# Altium PCB PCB_DACard.PcbDoc (part 1 of 2) (continued)
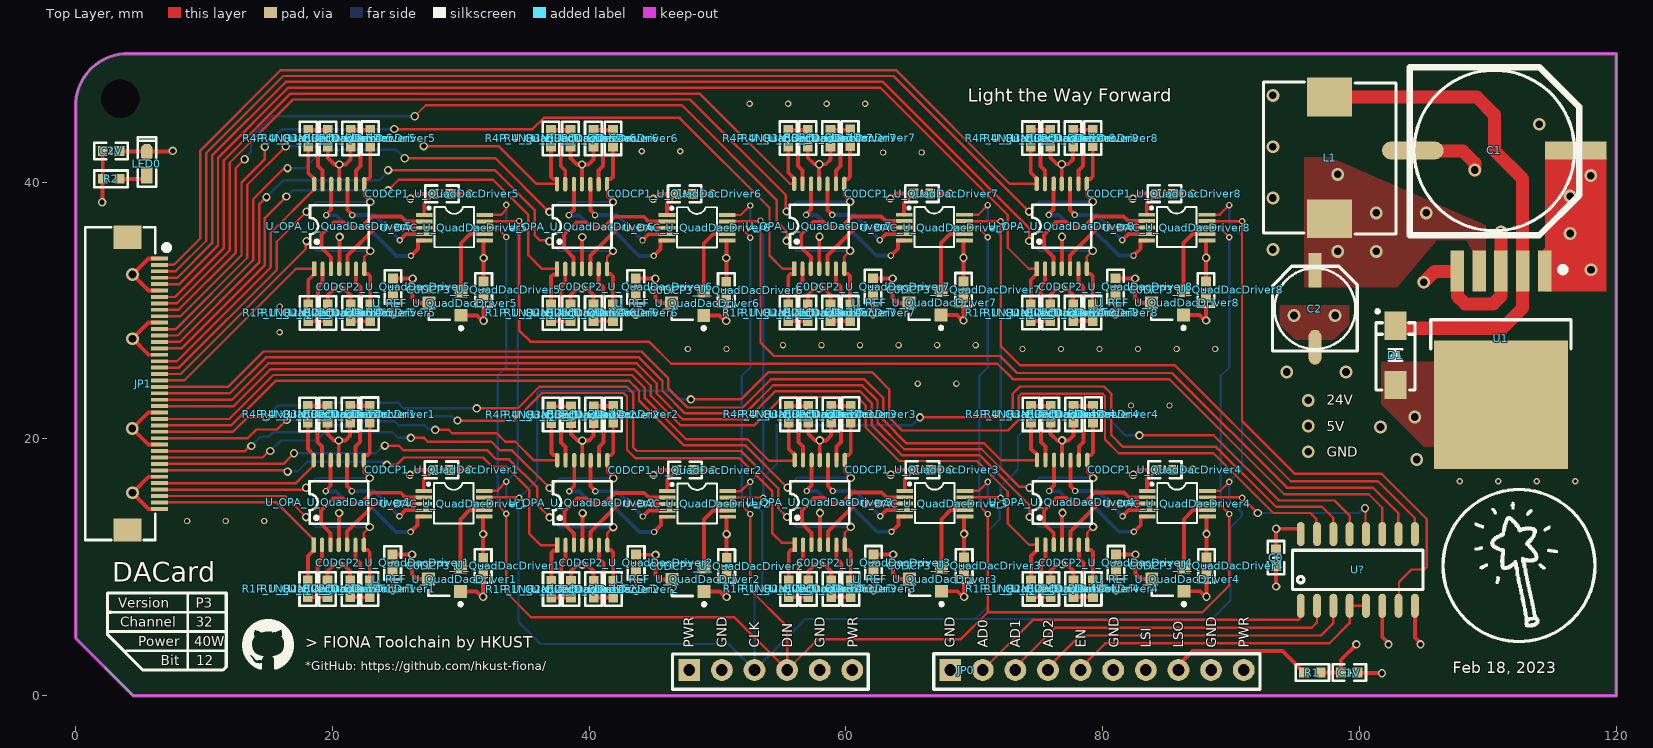
[diagram p0: Top Layer view]
## Components (designator, comment, footprint, x,y, rotation, side; value= is the part's Value field where it differs from the comment) (continued)
U_OPA_U_QuadDacDriver1 "OPA4197IPWR" TSSOP-14 20.508,15.045 r90 top (schematic designator U_OPA)
U_OPA_U_QuadDacDriver2 "OPA4197IPWR" TSSOP-14 39.471,15.033 r90 top (schematic designator U_OPA)
U_OPA_U_QuadDacDriver3 "OPA4197IPWR" TSSOP-14 57.963,15.053 r90 top (schematic designator U_OPA)
U_OPA_U_QuadDacDriver4 "OPA4197IPWR" TSSOP-14 76.838,15.053 r90 top (schematic designator U_OPA)
U_OPA_U_QuadDacDriver5 "OPA4197IPWR" TSSOP-14 20.545,36.541 r90 top (schematic designator U_OPA)
U_OPA_U_QuadDacDriver6 "OPA4197IPWR" TSSOP-14 39.445,36.537 r90 top (schematic designator U_OPA)
U_OPA_U_QuadDacDriver7 "OPA4197IPWR" TSSOP-14 57.92,36.558 r90 top (schematic designator U_OPA)
U_OPA_U_QuadDacDriver8 "OPA4197IPWR" TSSOP-14 76.808,36.557 r90 top (schematic designator U_OPA)
U_REF_U_QuadDacDriver1 "REF3025" SOT23-3 29.993,8.126 r90 top (schematic designator U_REF)
U_REF_U_QuadDacDriver2 "REF3025" SOT23-3 48.956,8.114 r90 top (schematic designator U_REF)
U_REF_U_QuadDacDriver3 "REF3025" SOT23-3 67.448,8.134 r90 top (schematic designator U_REF)
U_REF_U_QuadDacDriver4 "REF3025" SOT23-3 86.323,8.134 r90 top (schematic designator U_REF)
U_REF_U_QuadDacDriver5 "REF3025" SOT23-3 30.03,29.622 r90 top (schematic designator U_REF)
U_REF_U_QuadDacDriver6 "REF3025" SOT23-3 48.93,29.618 r90 top (schematic designator U_REF)
U_REF_U_QuadDacDriver7 "REF3025" SOT23-3 67.405,29.639 r90 top (schematic designator U_REF)
U_REF_U_QuadDacDriver8 "REF3025" SOT23-3 86.293,29.638 r90 top (schematic designator U_REF)

## Footprints (in the part's own frame and the unit in brackets; to place one, negate y for a bottom-side part, rotate by r counter-clockwise, add the part's x,y. Pads: shape width x height; smd on the part's side, far side on the other; paste and mask are expansions set on the pad)
"C 0603_L" [mil] "无极性贴片电容                                       淘宝ID:黄晶宝石"
  rect 30x30 smd: 1(-25.59,0) 2(25.59,0)
  silkscreen extent -51,-26 51,26, body extent -31,-16 31,16, height 32
"CM D(6.3*7.7)" [mm] "贴片电解电容，直径6.3mm，高7.7mm         淘宝ID:黄晶宝石"
  rect 2.7x1 smd: 1(3,0)
  oval 2.7x1 smd: 2(-3,0)
  silkscreen extent -3.3,-3.3 3.3,3.3, body extent -3.5,-3.3 3.5,3.3, height 7.7
"CM G(12.5*13.5)" [mm] "贴片电解电容，直径12.5mm，高13.5mm        淘宝ID:黄晶宝石"
  rect 4.8x1.4 smd: 1(6.35,0)
  oval 4.8x1.4 smd: 2(-6.35,0)
  silkscreen extent -6.6,-6.6 6.6,6.5, body extent -7.15,-6.5 7.15,6.5, height 13.5
"FPC0.5 2H-WS-40P" [mm] "长：24.2mm，宽：5.2mm，高：2mm 淘宝ID:黄晶宝石   店铺网址:https://shop463601444.taobao.com"
  rect 1.8x2.2 smd: 0(-11.4,0) 0(11.4,0)
  rect 0.3x1.3 smd: 1(-9.75,2.497) 2(-9.25,2.497) 3(-8.75,2.497) 4(-8.25,2.497) 5(-7.75,2.497) 6(-7.25,2.497) 7(-6.75,2.497) 8(-6.25,2.497) 9(-5.75,2.497) 10(-5.25,2.497) 11(-4.75,2.497) 12(-4.25,2.497) 13(-3.75,2.497) 14(-3.25,2.497) 15(-2.75,2.497) 16(-2.25,2.497) 17(-1.75,2.497) 18(-1.25,2.497) 19(-0.75,2.497) 20(-0.25,2.497) 21(0.25,2.497) 22(0.75,2.497) 23(1.25,2.497) 24(1.75,2.497) 25(2.25,2.497) 26(2.75,2.497) 27(3.25,2.497) 28(3.75,2.497) 29(4.25,2.497) 30(4.75,2.497) 31(5.25,2.497) 32(5.75,2.497) 33(6.25,2.497) 34(6.75,2.497) 35(7.25,2.497) 36(7.75,2.497) 37(8.25,2.497) 38(8.75,2.497) 39(9.25,2.497) 40(9.75,2.497)
  silkscreen extent -12.17,-3.3 12.17,3.23, body extent -12.1,-3.15 12.1,2.85, height 2
HDR2.54-DIY16-PW [mm] "10+6PIN"
  rect 1.7x1.7 hole 0.9: 1(-6.35,0) 7(13.97,0)
  round 1.7 hole 0.9: 2(-3.81,0) 3(-1.27,0) 4(1.27,0) 5(3.81,0) 6(6.35,0) 8(16.51,0) 9(19.05,0) 10(21.59,0) 11(24.13,0) 12(26.67,0) 13(29.21,0) 14(31.75,0) 15(34.29,0) 16(36.83,0)
  body extent -7.62,-7.77 38.1,1.27, height 4.85
"LED 0603B" [mil] "蓝色0603LED                             淘宝ID:黄晶宝石"
  rect 50x35 smd: 1(-35,0.26)
  oct 50x35 smd: 2(35,0.26)
  silkscreen extent -71,-28 81,28, body extent -31,-16 32,16, height 24
"R 0603_L" [mil] "1/10W贴片电阻                 淘宝ID:黄晶宝石"
  rect 30x30 smd: 1(-25.59,0) 2(25.59,0)
  silkscreen extent -51,-26 51,26, body extent -31,-16 32,16, height 16
SMA [mm] "4.5x2.6*2.2mm（长宽高，不包括引脚）"
  rect 2.2x1.75 smd: 1(-2.3,0) 2(2.3,0)
  silkscreen extent -2.7,-1.52 3.56,1.52, body extent -2.53,-1.3 2.58,1.3, height 2.15
SMD-11.5x10.5 [mm] "L11.5mm * W10.5mm SMD"
  rect 3x3.5 smd mask+0.051: 1(-4.8,0) 2(4.7,0)
  silkscreen extent -5.97,-5.16 5.87,5.16, body extent -5.8,-5.1 5.8,5.1, height 1
SO16NB [mil] "封装库来自淘宝卖家 ID：黄晶宝石"
  oval 24x74 smd: 1(0,0) 2(50,0) 3(100,0) 4(150,0) 5(200,0) 6(250,0) 7(300,0) 8(350,0) 9(350,220) 10(300,220) 11(250,220) 12(200,220) 13(150,220) 14(100,220) 15(50,220) 16(0,220)
  silkscreen extent -25,50 375,170, body extent -19,-5 367,223, height 69
SOT23-3 [mm] "封装库来自淘宝卖家 ID：黄晶宝石"
  rect 1x1 smd: 1(0,0) 2(1.9,0) 3(0.95,2.5)
  silkscreen extent -1.12,-0.13 2.25,2.5, body extent -0.5,-0.15 2.4,2.65, height 1.2
TO263-5A [mm] "263，5脚晶体管  封装库来自淘宝卖家 ID：黄晶宝石"
  rect 1.05x3.2 smd: 1(-3.4,0) 2(-1.7,0) 3(0,0) 4(1.7,0) 5(3.4,0)
  rect 10.45x10 smd: 3(0,10.414)
  silkscreen extent -5.46,-0.33 5.46,6.04, body extent -5,-0.01 5,13.32, height 4.5
TSSOP-14 [mm] "4.96x4.40x1.00 e=0.65 封装库来自淘宝卖家 ID：黄晶宝石"
  rect 1.143x0.33 smd: 1(-3.304,1.95)
  oval 1.143x0.33 smd: 2(-3.304,1.3) 3(-3.304,0.65) 4(-3.304,0) 5(-3.304,-0.65) 6(-3.304,-1.3) 7(-3.304,-1.95) 8(3.296,-1.95) 9(3.296,-1.3) 10(3.296,-0.65) 11(3.296,0) 12(3.304,0.629) 13(3.296,1.3) 14(3.304,1.95)
  silkscreen extent -1.67,-2.3 1.66,2.28, body extent -3.24,-2.5 3.19,2.5, height 1.01
VSSOP-10 [mm]
  rect 0.3x1.3 smd mask+0.015: 1(-1.027,-2.271) 2(-0.527,-2.271) 3(-0.027,-2.271) 4(0.473,-2.271) 5(0.973,-2.271)
  rect 0.3x1.3 smd mask+0.051: 6(0.973,2.429) 7(0.473,2.429) 8(-0.027,2.429) 9(-0.527,2.429) 10(-1.027,2.429)
  silkscreen extent -1.65,-2 1.49,1.62, body extent -1.55,-1.4 1.43,1.53, height 0.8

## Part data
C0: library part C, "贴片电容 C2992620", BOM名称=无极性贴片电容, 唯一出售店铺网址=https://shop463601444.taobao.com, 淘宝ID="封装库来自淘宝 ID：黄晶宝石", 联系售后，技术支持=https://shop463601444.taobao.com
C0DCP1_U_QuadDacDriver1 C0DCP1_U_QuadDacDriver2 C0DCP1_U_QuadDacDriver3 C0DCP1_U_QuadDacDriver4 C0DCP1_U_QuadDacDriver5 C0DCP1_U_QuadDacDriver6 C0DCP1_U_QuadDacDriver7 C0DCP1_U_QuadDacDriver8 C0DCP2_U_QuadDacDriver1 C0DCP2_U_QuadDacDriver2 C0DCP2_U_QuadDacDriver3 C0DCP2_U_QuadDacDriver4 C0DCP2_U_QuadDacDriver5 C0DCP2_U_QuadDacDriver6 C0DCP2_U_QuadDacDriver7 C0DCP2_U_QuadDacDriver8 C0DCP3_U_QuadDacDriver1 C0DCP3_U_QuadDacDriver2 C0DCP3_U_QuadDacDriver3 C0DCP3_U_QuadDacDriver4 C0DCP3_U_QuadDacDriver5 C0DCP3_U_QuadDacDriver6 C0DCP3_U_QuadDacDriver7 C0DCP3_U_QuadDacDriver8 C1V C2V: library part C, "贴片电容", BOM名称=无极性贴片电容, 唯一出售店铺网址=https://shop463601444.taobao.com, 淘宝ID="封装库来自淘宝 ID：黄晶宝石", 联系售后，技术支持=https://shop463601444.taobao.com
C1: library part CE_SMD, "贴片电解电容 C542257", BOM名称=贴片电解电容, 版权归属="封装库来自淘宝 ID：黄晶宝石", 联系售后=https://shop463601444.taobao.com
C2: library part CE_SMD, "贴片电解电容 C278407", BOM名称=贴片电解电容, 版权归属="封装库来自淘宝 ID：黄晶宝石", 联系售后=https://shop463601444.taobao.com
D1: library part M7, "整流二极管 C727065", BOM名称=整流二极管, 学习资源=https://shop463601444.taobao.com, 版权归属="封装库来自淘宝 ID：黄晶宝石"
JP0: "DIY Board Connector (P/N)", System=Connector
JP1: "FPC Connector 0.5mm 40PIN"
L1: "C280568 / (MHCC10040-330M-R7)", Inductance=33uH
LED0: library part LED-SMD, "贴片LED C118339", BOM名称=贴片LED, 学习资源=https://shop463601444.taobao.com, 版权归属="封装库来自淘宝 ID：黄晶宝石"
R1: library part R, "贴片电阻 C3017743", BOM名称=贴片电阻, 封装库来自淘宝卖家 ID：黄晶宝石=其他店铺购入均为盗版，不享受售后技术支持服务，请立即申请退款, 版权归属="来自淘宝 ID：黄晶宝石", 联系售后=https://shop463601444.taobao.com
R1N_U_QuadDacDriver1 R1N_U_QuadDacDriver2 R1N_U_QuadDacDriver3 R1N_U_QuadDacDriver4 R1N_U_QuadDacDriver5 R1N_U_QuadDacDriver6 R1N_U_QuadDacDriver7 R1N_U_QuadDacDriver8 R1P_U_QuadDacDriver1 R1P_U_QuadDacDriver2 R1P_U_QuadDacDriver3 R1P_U_QuadDacDriver4 R1P_U_QuadDacDriver5 R1P_U_QuadDacDriver6 R1P_U_QuadDacDriver7 R1P_U_QuadDacDriver8 R2N_U_QuadDacDriver1 R2N_U_QuadDacDriver2 R2N_U_QuadDacDriver3 R2N_U_QuadDacDriver4 R2N_U_QuadDacDriver5 R2N_U_QuadDacDriver6 R2N_U_QuadDacDriver7 R2N_U_QuadDacDriver8 R2P_U_QuadDacDriver1 R2P_U_QuadDacDriver2 R2P_U_QuadDacDriver3 R2P_U_QuadDacDriver4 R2P_U_QuadDacDriver5 R2P_U_QuadDacDriver6 R2P_U_QuadDacDriver7 R2P_U_QuadDacDriver8 R3N_U_QuadDacDriver1 R3N_U_QuadDacDriver2 R3N_U_QuadDacDriver3 R3N_U_QuadDacDriver4 R3N_U_QuadDacDriver5 R3N_U_QuadDacDriver6 R3N_U_QuadDacDriver7 R3N_U_QuadDacDriver8 R3P_U_QuadDacDriver1 R3P_U_QuadDacDriver2 R3P_U_QuadDacDriver3 R3P_U_QuadDacDriver4 R3P_U_QuadDacDriver5 R3P_U_QuadDacDriver6 R3P_U_QuadDacDriver7 R3P_U_QuadDacDriver8 R4N_U_QuadDacDriver1 R4N_U_QuadDacDriver2 R4N_U_QuadDacDriver3 R4N_U_QuadDacDriver4 R4N_U_QuadDacDriver5 R4N_U_QuadDacDriver6 R4N_U_QuadDacDriver7 R4N_U_QuadDacDriver8 R4P_U_QuadDacDriver1 R4P_U_QuadDacDriver2 R4P_U_QuadDacDriver3 R4P_U_QuadDacDriver4 R4P_U_QuadDacDriver5 R4P_U_QuadDacDriver6 R4P_U_QuadDacDriver7 R4P_U_QuadDacDriver8: library part R, "贴片电阻", BOM名称=贴片电阻, 封装库来自淘宝卖家 ID：黄晶宝石=其他店铺购入均为盗版，不享受售后技术支持服务，请立即申请退款, 版权归属="来自淘宝 ID：黄晶宝石", 联系售后=https://shop463601444.taobao.com
R2: library part R, "贴片电阻 C51218", BOM名称=贴片电阻, 封装库来自淘宝卖家 ID：黄晶宝石=其他店铺购入均为盗版，不享受售后技术支持服务，请立即申请退款, 版权归属="来自淘宝 ID：黄晶宝石", 联系售后=https://shop463601444.taobao.com
U1: "5V稳压芯片", ComponentLink1Description="Manufacturer Link", ComponentLink1URL=http://www.national.com/, ComponentLink2Description=Datasheet, ComponentLink2URL=http://www.national.com/ds.cgi/LM/LM2596.pdf, ComponentLink3Description="URL Link1", ComponentLink3URL=http://www.national.com/pf/LM/LM2596.html, DatasheetVersion=Dec-1997, Note="Tab is connected to GND", PackageDescription="D2-PAK; 5 Leads; Body 14.4 (inc. leads) x 10.4 mm (LxW max)", PackageReference=TS5B, Published=15-Apr-2002, Publisher="Altium Limited"
U?: "3-to-8 Decoder"
U_DAC_U_QuadDacDriver1 U_DAC_U_QuadDacDriver2 U_DAC_U_QuadDacDriver3 U_DAC_U_QuadDacDriver4 U_DAC_U_QuadDacDriver5 U_DAC_U_QuadDacDriver6 U_DAC_U_QuadDacDriver7 U_DAC_U_QuadDacDriver8: library part DAC104S085CISD, "TI 10-bit Quad-channel DAC (NOPB)"
U_OPA_U_QuadDacDriver1 U_OPA_U_QuadDacDriver2 U_OPA_U_QuadDacDriver3 U_OPA_U_QuadDacDriver4 U_OPA_U_QuadDacDriver5 U_OPA_U_QuadDacDriver6 U_OPA_U_QuadDacDriver7 U_OPA_U_QuadDacDriver8: "Quad-channel Operational Amplifier"
U_REF_U_QuadDacDriver1 U_REF_U_QuadDacDriver2 U_REF_U_QuadDacDriver3 U_REF_U_QuadDacDriver4 U_REF_U_QuadDacDriver5 U_REF_U_QuadDacDriver6 U_REF_U_QuadDacDriver7 U_REF_U_QuadDacDriver8: library part REF3030AIDBZT, "3V Reference Source"

## Free pads (board coordinates)
  round 1.524 hole 3: 2(3.5,46.5)

## Via types
v1: diameter 0.65, hole 0.4, Top Layer to Bottom Layer, tented both sides, 141 vias
v2: diameter 0.5, hole 0.3, Top Layer to Bottom Layer, tented both sides, 91 vias
v3: diameter 1, hole 0.6, Top Layer to Bottom Layer, tented both sides, 28 vias
v4: diameter 1, hole 0.6, Top Layer to Bottom Layer, 3 vias

## Nets (pads, with @x,y where several pads share a name; then routed paths per layer and width w, separated by ;. In a path a pad name is that pad's centre, name@x,y a point inside that pad or via, vN(x,y) a via of type N, cw(c..) or ccw(c..) an arc to the next point about the centre after c; other vN are vias at no path point)
5V: C0.1 C0DCP1_U_QuadDacDriver1.1 C0DCP1_U_QuadDacDriver2.1 C0DCP1_U_QuadDacDriver3.1 C0DCP1_U_QuadDacDriver4.1 C0DCP1_U_QuadDacDriver5.1 C0DCP1_U_QuadDacDriver6.1 C0DCP1_U_QuadDacDriver7.1 C0DCP1_U_QuadDacDriver8.1 C0DCP3_U_QuadDacDriver1.2 C0DCP3_U_QuadDacDriver2.2 C0DCP3_U_QuadDacDriver3.2 C0DCP3_U_QuadDacDriver4.2 C0DCP3_U_QuadDacDriver5.2 C0DCP3_U_QuadDacDriver6.2 C0DCP3_U_QuadDacDriver7.2 C0DCP3_U_QuadDacDriver8.2 C1V.1 C2.1 C2V.1 L1.2 R1.1 R2.1 U1.4 U?.6 U?.16 U_DAC_U_QuadDacDriver1.1 U_DAC_U_QuadDacDriver2.1 U_DAC_U_QuadDacDriver3.1 U_DAC_U_QuadDacDriver4.1 U_DAC_U_QuadDacDriver5.1 U_DAC_U_QuadDacDriver6.1 U_DAC_U_QuadDacDriver7.1 U_DAC_U_QuadDacDriver8.1 U_REF_U_QuadDacDriver1.1 U_REF_U_QuadDacDriver2.1 U_REF_U_QuadDacDriver3.1 U_REF_U_QuadDacDriver4.1 U_REF_U_QuadDacDriver5.1 U_REF_U_QuadDacDriver6.1 U_REF_U_QuadDacDriver7.1 U_REF_U_QuadDacDriver8.1 | length 76.6
  Top Layer w0.305: v1(2.075,38.425) 2.1,38.45 2.1,40.225 R2.1@2.125,40.25 C2V.1@2.125,42.425 ; v1(26.05,17.2) 26.143,17.2 26.528,17.585 C0DCP1_U_QuadDacDriver1.1@27.859,17.585 27.127,16.853 U_DAC_U_QuadDacDriver1.1@27.127,15.945 ; v1(26.087,38.696) 26.18,38.696 26.565,39.081 C0DCP1_U_QuadDacDriver5.1@27.896,39.081 27.164,38.349 U_DAC_U_QuadDacDriver5.1@27.164,37.441 ; U_REF_U_QuadDacDriver1.1@30.039,8.172 U_REF_U_QuadDacDriver1.1@29.993,8.126 31.231,8.126 31.657,7.7 v1(31.75,7.7) C0DCP3_U_QuadDacDriver1.2@31.75,9.45 ; U_REF_U_QuadDacDriver5.1@30.076,29.668 U_REF_U_QuadDacDriver5.1@30.03,29.622 31.268,29.622 31.694,29.196 v1(31.787,29.196) C0DCP3_U_QuadDacDriver5.2@31.787,30.946 ; v1(44.987,38.692) 45.08,38.692 45.465,39.077 C0DCP1_U_QuadDacDriver6.1@46.796,39.077 46.064,38.345 U_DAC_U_QuadDacDriver6.1@46.064,37.437 ; v1(45.013,17.188) 45.106,17.188 45.491,17.573 C0DCP1_U_QuadDacDriver2.1@46.822,17.573 46.09,16.841 U_DAC_U_QuadDacDriver2.1@46.09,15.933 ; U_REF_U_QuadDacDriver6.1@48.976,29.664 U_REF_U_QuadDacDriver6.1@48.93,29.618 50.168,29.618 50.594,29.192 v1(50.687,29.192) C0DCP3_U_QuadDacDriver6.2@50.687,30.942 ; U_REF_U_QuadDacDriver2.1@49.002,8.16 U_REF_U_QuadDacDriver2.1@48.956,8.114 50.193,8.114 50.619,7.688 v1(50.713,7.688) C0DCP3_U_QuadDacDriver2.2@50.713,9.438 ; v1(63.462,38.713) 63.555,38.713 63.94,39.098 C0DCP1_U_QuadDacDriver7.1@65.271,39.098 64.539,38.366 U_DAC_U_QuadDacDriver7.1@64.539,37.458 ; v1(63.505,17.208) 63.598,17.208 63.983,17.593 C0DCP1_U_QuadDacDriver3.1@65.314,17.593 64.582,16.861 U_DAC_U_QuadDacDriver3.1@64.582,15.953 ; U_REF_U_QuadDacDriver7.1@67.451,29.685 U_REF_U_QuadDacDriver7.1@67.405,29.639 68.643,29.639 69.069,29.213 v1(69.162,29.213) C0DCP3_U_QuadDacDriver7.2@69.162,30.963 ; U_REF_U_QuadDacDriver3.1@67.494,8.18 U_REF_U_QuadDacDriver3.1@67.448,8.134 68.685,8.134 69.112,7.708 v1(69.205,7.708) C0DCP3_U_QuadDacDriver3.2@69.205,9.458 ; v1(82.35,38.712) 82.443,38.712 82.828,39.097 C0DCP1_U_QuadDacDriver8.1@84.159,39.097 83.427,38.365 U_DAC_U_QuadDacDriver8.1@83.427,37.457 ; v1(82.38,17.208) 82.473,17.208 82.858,17.593 C0DCP1_U_QuadDacDriver4.1@84.189,17.593 83.457,16.861 U_DAC_U_QuadDacDriver4.1@83.457,15.953 ; U_REF_U_QuadDacDriver8.1@86.339,29.684 U_REF_U_QuadDacDriver8.1@86.293,29.638 87.531,29.638 87.957,29.212 v1(88.05,29.212) C0DCP3_U_QuadDacDriver8.2@88.05,30.962 ; U_REF_U_QuadDacDriver4.1@86.369,8.18 U_REF_U_QuadDacDriver4.1@86.323,8.134 87.56,8.134 87.987,7.708 v1(88.08,7.708) C0DCP3_U_QuadDacDriver4.2@88.08,9.458 ; C0.1@93.5,11.4 v1(93.5,13) 95.279,13 95.42,12.859 U?.16@95.42,12.588 ; R1.1@96.975,1.8 C1V.1@98.55,1.8 98.55,2.8 v1(99.75,4) ; U?.6@101.77,7 101.77,4.573 102.25,4.093 v1(102.25,4)
  other v3: 98.3,34.6 101.3,34.6 101.3,37.6 105.2,37.6 98.3,40.6
  other v4: 96,21
24V: C0DCP2_U_QuadDacDriver1.1 C0DCP2_U_QuadDacDriver2.1 C0DCP2_U_QuadDacDriver3.1 C0DCP2_U_QuadDacDriver4.1 C0DCP2_U_QuadDacDriver5.1 C0DCP2_U_QuadDacDriver6.1 C0DCP2_U_QuadDacDriver7.1 C0DCP2_U_QuadDacDriver8.1 C1.1 JP0.1 JP0.6 JP0.16 U1.1 U_OPA_U_QuadDacDriver1.4 U_OPA_U_QuadDacDriver2.4 U_OPA_U_QuadDacDriver3.4 U_OPA_U_QuadDacDriver4.4 U_OPA_U_QuadDacDriver5.4 U_OPA_U_QuadDacDriver6.4 U_OPA_U_QuadDacDriver7.4 U_OPA_U_QuadDacDriver8.4 | length 42.8
  Top Layer w0.305: U_OPA_U_QuadDacDriver1.4@20.508,11.741 20.513,11.746 20.513,14.212 v1(20.533,14.232) ; U_OPA_U_QuadDacDriver5.4@20.545,33.237 20.55,33.242 20.55,35.708 v1(20.57,35.728) ; v1(24.699,8.187) C0DCP2_U_QuadDacDriver1.1@24.699,9.696 ; v1(24.736,29.683) C0DCP2_U_QuadDacDriver5.1@24.736,31.192 ; U_OPA_U_QuadDacDriver6.4@39.445,33.233 39.45,33.238 39.45,35.704 v1(39.47,35.724) ; U_OPA_U_QuadDacDriver2.4@39.471,11.729 39.476,11.734 39.476,14.2 v1(39.496,14.22) ; v1(43.636,29.679) C0DCP2_U_QuadDacDriver6.1@43.636,31.188 ; v1@43.662,8.175 C0DCP2_U_QuadDacDriver2.1@43.662,9.684 ; U_OPA_U_QuadDacDriver7.4@57.92,33.254 57.925,33.259 57.925,35.725 v1(57.945,35.745) ; U_OPA_U_QuadDacDriver3.4@57.963,11.749 57.968,11.754 57.968,14.22 v1(57.988,14.24) ; v1(62.111,29.7) C0DCP2_U_QuadDacDriver7.1@62.111,31.209 ; v1(62.154,8.195) C0DCP2_U_QuadDacDriver3.1@62.154,9.704 ; U_OPA_U_QuadDacDriver8.4@76.808,33.253 76.813,33.258 76.813,35.723 v1(76.833,35.744) ; U_OPA_U_QuadDacDriver4.4@76.838,11.749 76.843,11.754 76.843,14.22 v1(76.863,14.24) ; v1(80.999,29.699) C0DCP2_U_QuadDacDriver8.1@80.999,31.208 ; v1(81.029,8.195) C0DCP2_U_QuadDacDriver4.1@81.029,9.704
  Top Layer w1.016: U1.1@114.389,33.077 U1.1@114.406,33.06 114.406,34.135 116.271,36 v3(116.4,36) v3(116.4,38.9) 115.498,39.802 C1.1@115.498,42.458
  other v1: 43.662,8.175
  other v3: 118.025,33.175 118,40.5
  other v4: 96,23
ChA1: JP1.39 R1P_U_QuadDacDriver1.2 U_OPA_U_QuadDacDriver1.1 | length 16.6
  Top Layer w0.186: JP1.39@6.547,15.05 15.656,15.05 18.545,12.16 18.545,11.754 U_OPA_U_QuadDacDriver1.1@18.558,11.741 18.545,11.728 U_OPA_U_QuadDacDriver1.1@18.545,11.322
  Top Layer w0.305: R1P_U_QuadDacDriver1.2@18.095,8.964 18.095,10.872 U_OPA_U_QuadDacDriver1.1@18.545,11.322
ChA2: JP1.34 R1P_U_QuadDacDriver2.2 U_OPA_U_QuadDacDriver2.1 | length 39.6
  Top Layer w0.186: JP1.34@6.547,17.55 16.332,17.55 16.432,17.45 v1(16.525,17.45) ; v1(24.25,17.975) 24.282,18.007 25.032,18.007 25.575,18.55 31.75,18.55 32.475,17.825 33.55,17.825 35.35,16.025 35.35,12.6 36.221,11.729 U_OPA_U_QuadDacDriver2.1@37.521,11.729 37.521,11.323 U_OPA_U_QuadDacDriver2.1@37.508,11.31
  Top Layer w0.305: R1P_U_QuadDacDriver2.2@37.058,8.952 37.058,11.131 37.237,11.31 U_OPA_U_QuadDacDriver2.1@37.508,11.31
  Bottom Layer w0.186: v1(16.525,17.45) 16.557,17.482 17.307,17.482 18.05,18.225 23.907,18.225 24.157,17.975 v1(24.25,17.975)
ChA3: JP1.29 R1P_U_QuadDacDriver3.2 U_OPA_U_QuadDacDriver3.1 | length 64
  Top Layer w0.186: JP1.29@6.547,20.05 13.409,20.05 14.089,20.729 15.704,20.729 v1(16.45,21.475) ; v1(29.75,21.425) 34.175,21.425 35.975,23.225 36.325,23.575 42.675,23.575 42.95,23.3 42.95,19.15 43.6,18.5 51.693,18.5 54.25,15.943 54.25,12.675 55,11.925 56,11.925 56.013,11.912 U_OPA_U_QuadDacDriver3.1@56.013,11.749 56.013,11.343 U_OPA_U_QuadDacDriver3.1@56,11.33
  Top Layer w0.305: R1P_U_QuadDacDriver3.2@55.55,8.972 55.55,11.151 55.729,11.33 U_OPA_U_QuadDacDriver3.1@56,11.33
  Bottom Layer w0.186: v1(16.45,21.475) 18.05,21.475 18.7,22.125 24.825,22.125 25.2,21.75 29.332,21.75 29.657,21.425 v1(29.75,21.425)
ChA4: JP1.24 R1P_U_QuadDacDriver4.2 U_OPA_U_QuadDacDriver4.1 | length 82.9
  Top Layer w0.186: JP1.24@6.547,22.55 12.332,22.55 15.211,25.429 43.511,25.429 44.804,24.136 44.804,23.365 47.096,21.074 52.87,21.074 55.058,23.262 60.883,23.262 61.544,22.601 61.544,20.895 64.16,18.279 70.206,18.279 72.605,15.88 72.605,13.41 74.266,11.749 U_OPA_U_QuadDacDriver4.1@74.888,11.749 74.875,11.736 U_OPA_U_QuadDacDriver4.1@74.875,11.33
  Top Layer w0.305: R1P_U_QuadDacDriver4.2@74.425,8.972 74.425,10.88 U_OPA_U_QuadDacDriver4.1@74.875,11.33
ChA5: JP1.20 R1P_U_QuadDacDriver5.2 U_OPA_U_QuadDacDriver5.1 | length 18.6
  Top Layer w0.186: JP1.20@6.547,24.55 8.47,24.55 17.157,33.237 U_OPA_U_QuadDacDriver5.1@18.595,33.237 18.582,33.224 U_OPA_U_QuadDacDriver5.1@18.582,32.818
  Top Layer w0.305: R1P_U_QuadDacDriver5.2@18.132,30.46 18.132,32.368 U_OPA_U_QuadDacDriver5.1@18.582,32.818
ChA6: JP1.15 R1P_U_QuadDacDriver6.2 U_OPA_U_QuadDacDriver6.1 | length 46.4
  Top Layer w0.186: JP1.15@6.547,27.05 8.267,27.05 14.757,33.54 14.757,37.207 v1(16.425,38.875) ; v1(24.35,39.35) 25.175,40.175 32.521,40.175 35.275,37.421 35.275,34.3 36.342,33.233 U_OPA_U_QuadDacDriver6.1@37.495,33.233 37.495,32.827 U_OPA_U_QuadDacDriver6.1@37.482,32.814
  Top Layer w0.305: R1P_U_QuadDacDriver6.2@37.032,30.456 37.032,32.635 37.211,32.814 U_OPA_U_QuadDacDriver6.1@37.482,32.814
  Bottom Layer w0.186: v1(16.425,38.875) 16.9,39.35 v1(24.35,39.35)
ChA7: JP1.10 R1P_U_QuadDacDriver7.2 U_OPA_U_QuadDacDriver7.1 | length 69.9
  Top Layer w0.186: JP1.10@6.547,29.55 8.18,29.55 12.928,34.298 12.928,39.975 14.75,41.797 v1(14.75,42.75) ; v1(24.823,44.125) 35.6,44.125 36.475,45 47.05,45 54.05,38 54.05,34.275 55.071,33.254 U_OPA_U_QuadDacDriver7.1@55.97,33.254 U_OPA_U_QuadDacDriver7.1@55.97,32.847
  Top Layer w0.305: R1P_U_QuadDacDriver7.2@55.507,30.477 55.507,32.656 55.686,32.835 55.957,32.835 U_OPA_U_QuadDacDriver7.1@55.97,32.847
  Bottom Layer w0.186: v1(14.75,42.75) 16.125,44.125 v1(24.823,44.125)
ChA8: JP1.5 R1P_U_QuadDacDriver8.2 U_OPA_U_QuadDacDriver8.1 | length 88.9
  Top Layer w0.186: JP1.5@6.547,32.05 8.094,32.05 11.099,35.055 11.099,41.883 16.563,47.347 62.688,47.347 72.605,37.43 72.605,34.884 74.236,33.253 U_OPA_U_QuadDacDriver8.1@74.858,33.253 74.845,33.24 U_OPA_U_QuadDacDriver8.1@74.845,32.834
  Top Layer w0.305: R1P_U_QuadDacDriver8.2@74.395,30.476 74.395,32.383 U_OPA_U_QuadDacDriver8.1@74.845,32.834
ChB1: JP1.38 R2P_U_QuadDacDriver1.2 U_OPA_U_QuadDacDriver1.7 | length 22.1
  Top Layer w0.186: JP1.38@6.547,15.55 16.32,15.55 v1(17.968,13.902) ; U_OPA_U_QuadDacDriver1.7@22.47,11.349 22.458,11.36 U_OPA_U_QuadDacDriver1.7@22.458,11.741 22.458,12.677 v1(22.921,13.14)
  Top Layer w0.305: U_OPA_U_QuadDacDriver1.7@22.47,11.349 22.743,11.349 22.921,11.17 R2P_U_QuadDacDriver1.2@22.921,8.964
  Bottom Layer w0.186: v1(17.968,13.902) 18.73,13.14 v1(22.921,13.14)
ChB2: JP1.33 R2P_U_QuadDacDriver2.2 U_OPA_U_QuadDacDriver2.7 | length 44.1
  Top Layer w0.186: JP1.33@6.547,18.05 16.2,18.05 v1(17.025,18.875) ; v1(24.1,19.475) 25.175,19.475 25.525,19.125 32.05,19.125 32.775,18.4 33.775,18.4 35.975,16.2 35.975,14.846 v1(36.931,13.89) ; U_OPA_U_QuadDacDriver2.7@41.433,11.337 41.421,11.348 U_OPA_U_QuadDacDriver2.7@41.421,11.729 41.421,12.665 v1(41.884,13.128)
  Top Layer w0.305: U_OPA_U_QuadDacDriver2.7@41.433,11.337 41.705,11.337 41.884,11.158 R2P_U_QuadDacDriver2.2@41.884,8.952
  Bottom Layer w0.186: v1(17.025,18.875) 23.4,18.875 23.85,19.325 23.857,19.325 24.007,19.475 v1(24.1,19.475) ; v1(36.931,13.89) 37.693,13.128 v1(41.884,13.128)
ChB3: JP1.28 R2P_U_QuadDacDriver3.2 U_OPA_U_QuadDacDriver3.7 | length 68.3
  Top Layer w0.186: JP1.28@6.547,20.55 12.272,20.55 13.397,21.675 v1(14.85,21.675) ; v1(31.25,22.375) 34.443,22.375 36.125,24.058 42.942,24.058 43.433,23.567 43.433,19.35 43.729,19.054 51.821,19.054 54.733,16.142 54.733,14.6 v1(55.423,13.91) ; U_OPA_U_QuadDacDriver3.7@59.913,11.749 59.913,12.685 v1(60.376,13.148)
  Top Layer w0.305: U_OPA_U_QuadDacDriver3.7@59.913,11.749 59.913,11.368 59.925,11.357 60.197,11.357 60.376,11.178 R2P_U_QuadDacDriver3.2@60.376,8.972
  Bottom Layer w0.186: v1(14.85,21.675) 15.775,22.6 18.375,22.6 18.6,22.825 25.107,22.825 25.557,22.375 v1(31.25,22.375) ; v1(55.423,13.91) 56.185,13.148 v1(60.376,13.148)
ChB4: JP1.23 R2P_U_QuadDacDriver4.2 U_OPA_U_QuadDacDriver4.7 | length 87.7
  Top Layer w0.186: JP1.23@6.547,23.05 12.185,23.05 15.022,25.886 43.7,25.886 45.261,24.325 45.261,23.555 47.285,21.531 52.341,21.531 54.529,23.719 61.073,23.719 62.001,22.79 62.001,21.084 64.349,18.736 70.395,18.736 74.298,14.833 v1(74.298,13.91) ; U_OPA_U_QuadDacDriver4.7@78.8,11.357 78.788,11.368 U_OPA_U_QuadDacDriver4.7@78.788,11.749 78.788,12.685 v1(79.251,13.148)
  Top Layer w0.305: U_OPA_U_QuadDacDriver4.7@78.8,11.357 79.072,11.357 79.251,11.178 R2P_U_QuadDacDriver4.2@79.251,8.972
  Bottom Layer w0.186: v1(74.298,13.91) 75.06,13.148 v1(79.251,13.148)
ChB5: JP1.19 R2P_U_QuadDacDriver5.2 U_OPA_U_QuadDacDriver5.7 | length 26.1
  Top Layer w0.186: JP1.19@6.547,25.05 8.206,25.05 17.939,34.783 17.939,35.332 v1(18.005,35.398) ; U_OPA_U_QuadDacDriver5.7@22.507,32.845 22.495,32.856 U_OPA_U_QuadDacDriver5.7@22.495,33.237 22.495,34.173 v1(22.958,34.636)
  Top Layer w0.305: U_OPA_U_QuadDacDriver5.7@22.507,32.845 22.78,32.845 22.958,32.666 R2P_U_QuadDacDriver5.2@22.958,30.46
  Bottom Layer w0.186: v1(18.005,35.398) 18.767,34.636 v1(22.958,34.636)
ChB6: JP1.14 R2P_U_QuadDacDriver6.2 U_OPA_U_QuadDacDriver6.7 | length 52
  Top Layer w0.186: JP1.14@6.547,27.55 8.12,27.55 14.3,33.73 14.3,38.25 v1(14.875,38.825) ; v1(24.35,40.925) 32.65,40.925 35.758,37.817 35.758,35.879 36.176,35.46 36.839,35.46 v1(36.905,35.394) ; U_OPA_U_QuadDacDriver6.7@41.395,33.233 41.395,34.169 v1(41.858,34.632)
  Top Layer w0.305: U_OPA_U_QuadDacDriver6.7@41.395,33.233 41.395,32.852 41.407,32.841 41.68,32.841 41.858,32.662 R2P_U_QuadDacDriver6.2@41.858,30.456
  Bottom Layer w0.186: v1(14.875,38.825) 16.2,40.15 23.675,40.15 23.891,40.366 23.891,40.372 24.35,40.832 v1(24.35,40.925) ; v1(36.905,35.394) 37.667,34.632 v1(41.858,34.632)
ChB7: JP1.9 R2P_U_QuadDacDriver7.2 U_OPA_U_QuadDacDriver7.7 | length 75.8
  Top Layer w0.186: JP1.9@6.547,30.05 8.034,30.05 12.471,34.487 12.471,41.071 v1(13.175,41.775) ; v1(26.425,45.125) 27.275,45.975 47.225,45.975 54.625,38.575 54.625,36.925 55.38,36.17 v1(55.38,35.415) ; U_OPA_U_QuadDacDriver7.7@59.87,33.254 59.87,34.19 v1(60.333,34.653)
  Top Layer w0.305: U_OPA_U_QuadDacDriver7.7@59.87,33.254 59.87,32.873 59.882,32.862 60.155,32.862 60.333,32.683 R2P_U_QuadDacDriver7.2@60.333,30.477
  Bottom Layer w0.186: v1(13.175,41.775) 13.175,41.868 13.672,42.366 13.672,43.472 15.325,45.125 v1(26.425,45.125) ; v1(55.38,35.415) 56.142,34.653 v1(60.333,34.653)
ChB8: JP1.4 R2P_U_QuadDacDriver8.2 U_OPA_U_QuadDacDriver8.7 | length 93.7
  Top Layer w0.186: JP1.4@6.547,32.55 7.947,32.55 10.642,35.245 10.642,42.072 16.373,47.804 62.877,47.804 74.268,36.413 v1(74.268,35.414) ; U_OPA_U_QuadDacDriver8.7@78.77,32.86 78.758,32.872 U_OPA_U_QuadDacDriver8.7@78.758,33.253 78.758,34.189 v1(79.221,34.652)
  Top Layer w0.305: U_OPA_U_QuadDacDriver8.7@78.77,32.86 79.043,32.86 79.221,32.682 R2P_U_QuadDacDriver8.2@79.221,30.476
  Bottom Layer w0.186: v1(74.268,35.414) 75.03,34.652 v1(79.221,34.652)
ChC1: JP1.37 R3P_U_QuadDacDriver1.1 U_OPA_U_QuadDacDriver1.8 | length 21.6
  Top Layer w0.186: JP1.37@6.547,16.05 17.737,16.05 17.875,16.188 v1(17.968,16.188) ; U_OPA_U_QuadDacDriver1.8@22.47,18.733 22.458,18.722 U_OPA_U_QuadDacDriver1.8@22.458,18.341 22.458,17.413 v1(22.921,16.95)
  Top Layer w0.305: U_OPA_U_QuadDacDriver1.8@22.47,18.733 22.742,18.733 22.921,18.912 R3P_U_QuadDacDriver1.1@22.921,21.268
  Bottom Layer w0.186: v1(17.968,16.188) 18.73,16.95 v1(22.921,16.95)
ChC2: JP1.32 R3P_U_QuadDacDriver2.1 U_OPA_U_QuadDacDriver2.8 | length 43.6
  Top Layer w0.186: JP1.32@6.547,18.55 14.582,18.55 15.082,19.05 v1(15.175,19.05) ; v1(26.125,20.075) 27.15,20.075 27.45,19.775 32.4,19.775 33.075,19.1 34.007,19.1 v1(36.931,16.176) ; U_OPA_U_QuadDacDriver2.8@41.433,18.721 41.421,18.71 U_OPA_U_QuadDacDriver2.8@41.421,18.329 41.421,17.401 v1(41.884,16.938)
  Top Layer w0.305: U_OPA_U_QuadDacDriver2.8@41.433,18.721 41.705,18.721 41.884,18.9 R3P_U_QuadDacDriver2.1@41.884,21.256
  Bottom Layer w0.186: v1(15.175,19.05) 16,19.875 18.775,19.875 19.975,21.075 20.925,21.075 21.475,20.525 24.666,20.525 25.116,20.075 v1(26.125,20.075) ; v1(36.931,16.176) 37.693,16.938 v1(41.884,16.938)
ChC3: JP1.27 R3P_U_QuadDacDriver3.1 U_OPA_U_QuadDacDriver3.8 | length 64.4
  Top Layer w0.186: JP1.27@6.547,21.05 12.125,21.05 15.59,24.515 43.132,24.515 43.89,23.757 43.89,22.987 47.365,19.511 52.15,19.511 v1(55.462,16.199) ; U_OPA_U_QuadDacDriver3.8@59.913,18.349 59.913,17.421 v1(60.376,16.958)
  Top Layer w0.305: U_OPA_U_QuadDacDriver3.8@59.913,18.349 59.913,18.73 59.925,18.741 60.197,18.741 60.376,18.92 R3P_U_QuadDacDriver3.1@60.376,21.276
  Bottom Layer w0.186: v1(55.462,16.199) 55.462,16.235 56.185,16.958 v1(60.376,16.958)
ChC4: JP1.22 R3P_U_QuadDacDriver4.1 U_OPA_U_QuadDacDriver4.8 | length 86.5
  Top Layer w0.186: JP1.22@6.547,23.55 12.039,23.55 14.832,26.344 43.889,26.344 45.719,24.514 45.719,23.744 47.475,21.988 52.152,21.988 54.34,24.176 61.262,24.176 62.459,22.98 62.459,21.273 64.539,19.193 70.585,19.193 73.516,16.262 74.232,16.262 v1(74.298,16.196) ; U_OPA_U_QuadDacDriver4.8@78.8,18.741 78.788,18.73 U_OPA_U_QuadDacDriver4.8@78.788,18.349 78.788,17.421 v1(79.251,16.958)
  Top Layer w0.305: U_OPA_U_QuadDacDriver4.8@78.8,18.741 79.072,18.741 79.251,18.92 R3P_U_QuadDacDriver4.1@79.251,21.276
  Bottom Layer w0.186: v1(74.298,16.196) 75.06,16.958 v1(79.251,16.958)
ChC5: JP1.18 R3P_U_QuadDacDriver5.1 U_OPA_U_QuadDacDriver5.8 | length 27.9
  Top Layer w0.186: JP1.18@6.547,25.55 8.06,25.55 15.671,33.162 15.671,35.35 v1(18.005,37.684) ; U_OPA_U_QuadDacDriver5.8@22.495,39.837 22.495,38.909 v1(22.958,38.446)
  Top Layer w0.305: U_OPA_U_QuadDacDriver5.8@22.495,39.837 22.495,40.218 22.507,40.229 22.779,40.229 22.958,40.408 R3P_U_QuadDacDriver5.1@22.958,42.764
  Bottom Layer w0.186: v1(18.005,37.684) 18.767,38.446 v1(22.958,38.446)
ChC6: JP1.13 R3P_U_QuadDacDriver6.1 U_OPA_U_QuadDacDriver6.8 | length 51.3
  Top Layer w0.186: JP1.13@6.547,28.05 7.973,28.05 13.842,33.919 13.842,38.683 16.179,41.02 16.445,41.02 v1(16.511,41.086) ; v1(25.65,41.85) 32.7,41.85 36.87,37.68 v1(36.905,37.68) ; U_OPA_U_QuadDacDriver6.8@41.395,39.833 41.395,38.905 v1(41.858,38.442)
  Top Layer w0.305: U_OPA_U_QuadDacDriver6.8@41.395,39.833 41.395,40.214 41.407,40.225 41.679,40.225 41.858,40.404 R3P_U_QuadDacDriver6.1@41.858,42.76
  Bottom Layer w0.186: v1(16.511,41.086) 17.861,41.086 19.275,42.5 25,42.5 v1(25.65,41.85) ; v1(36.905,37.68) 37.667,38.442 v1(41.858,38.442)
ChC7: JP1.8 R3P_U_QuadDacDriver7.1 U_OPA_U_QuadDacDriver7.8 | length 73.9
  Top Layer w0.186: JP1.8@6.547,30.55 7.887,30.55 12.014,34.677 12.014,41.504 16.942,46.432 47.868,46.432 55.314,38.986 55.314,37.767 v1(55.38,37.701) ; U_OPA_U_QuadDacDriver7.8@59.87,39.854 59.87,38.926 v1(60.333,38.463)
  Top Layer w0.305: U_OPA_U_QuadDacDriver7.8@59.87,39.854 59.87,40.235 59.882,40.246 60.154,40.246 60.333,40.425 R3P_U_QuadDacDriver7.1@60.333,42.781
  Bottom Layer w0.186: v1(55.38,37.701) 56.142,38.463 v1(60.333,38.463)
ChC8: JP1.3 R3P_U_QuadDacDriver8.1 U_OPA_U_QuadDacDriver8.8 | length 92.5
  Top Layer w0.186: JP1.3@6.547,33.05 7.801,33.05 10.185,35.434 10.185,42.262 16.184,48.261 63.707,48.261 v1(74.268,37.7) ; U_OPA_U_QuadDacDriver8.8@78.77,40.245 78.758,40.234 U_OPA_U_QuadDacDriver8.8@78.758,39.853 78.758,38.925 v1(79.221,38.462)
  Top Layer w0.305: U_OPA_U_QuadDacDriver8.8@78.77,40.245 79.042,40.245 79.221,40.424 R3P_U_QuadDacDriver8.1@79.221,42.78
  Bottom Layer w0.186: v1(74.268,37.7) 75.03,38.462 v1(79.221,38.462)
ChD1: JP1.36 R4P_U_QuadDacDriver1.1 U_OPA_U_QuadDacDriver1.14 | length 16.1
  Top Layer w0.186: JP1.36@6.547,16.55 17.165,16.55 18.55,17.934 18.55,18.341 U_OPA_U_QuadDacDriver1.14@18.558,18.349 18.55,18.357 U_OPA_U_QuadDacDriver1.14@18.55,18.764
  Top Layer w0.305: R4P_U_QuadDacDriver1.1@18.095,21.253 18.095,19.218 U_OPA_U_QuadDacDriver1.14@18.55,18.764
ChD2: JP1.31 R4P_U_QuadDacDriver2.1 U_OPA_U_QuadDacDriver2.14 | length 36.7
  Top Layer w0.186: JP1.31@6.547,19.05 13.207,19.05 13.607,19.45 v1(13.7,19.45) ; v1(28.025,20.7) 29.075,20.7 29.35,20.425 32.825,20.425 33.475,19.775 34.25,19.775 35.7,18.325 37.509,18.325 U_OPA_U_QuadDacDriver2.14@37.521,18.337 ; U_OPA_U_QuadDacDriver2.14@37.509,18.73 37.521,18.718 U_OPA_U_QuadDacDriver2.14@37.521,18.337
  Top Layer w0.305: R4P_U_QuadDacDriver2.1@37.058,21.241 37.058,18.908 37.237,18.73 U_OPA_U_QuadDacDriver2.14@37.509,18.73
  Bottom Layer w0.186: v1(13.7,19.45) 14.425,20.175 15.075,20.175 15.425,20.525 18.325,20.525 19.442,21.642 21.408,21.642 21.675,21.375 24.85,21.375 25.175,21.05 27.2,21.05 27.5,20.75 27.975,20.75 v1(28.025,20.7)
ChD3: JP1.26 R4P_U_QuadDacDriver3.1 U_OPA_U_QuadDacDriver3.14 | length 57.2
  Top Layer w0.186: JP1.26@6.547,21.55 11.978,21.55 15.4,24.972 43.321,24.972 44.347,23.946 44.347,23.176 47.555,19.968 52.339,19.968 54.007,18.3 56.001,18.3 56.001,18.726 56.013,18.738 56.005,18.746 U_OPA_U_QuadDacDriver3.14@56.005,18.772
  Top Layer w0.305: R4P_U_QuadDacDriver3.1@55.55,21.261 55.55,19.227 U_OPA_U_QuadDacDriver3.14@56.005,18.772
ChD4: JP1.21 R4P_U_QuadDacDriver4.1 U_OPA_U_QuadDacDriver4.14 | length 79.4
  Top Layer w0.186: JP1.21@6.547,24.05 11.892,24.05 14.643,26.801 44.079,26.801 46.176,24.704 46.176,23.934 47.664,22.445 51.962,22.445 54.151,24.633 61.451,24.633 62.916,23.169 62.916,21.463 64.728,19.65 70.774,19.65 72.099,18.325 74.876,18.325 74.876,18.345 U_OPA_U_QuadDacDriver4.14@74.888,18.357 74.88,18.365 U_OPA_U_QuadDacDriver4.14@74.88,18.772
  Top Layer w0.305: R4P_U_QuadDacDriver4.1@74.425,21.261 74.425,19.227 U_OPA_U_QuadDacDriver4.14@74.88,18.772
ChD5: JP1.17 R4P_U_QuadDacDriver5.1 U_OPA_U_QuadDacDriver5.14 | length 22.7
  Top Layer w0.186: JP1.17@6.547,26.05 7.913,26.05 15.214,33.351 15.214,36.058 18.587,39.43 U_OPA_U_QuadDacDriver5.14@18.587,40.218
  Top Layer w0.305: R4P_U_QuadDacDriver5.1@18.132,42.749 18.132,40.714 18.587,40.26 18.587,40.234 18.595,40.226 U_OPA_U_QuadDacDriver5.14@18.587,40.218
ChD6: JP1.12 R4P_U_QuadDacDriver6.1 U_OPA_U_QuadDacDriver6.14 | length 45
  Top Layer w0.186: JP1.12@6.547,28.55 7.827,28.55 13.385,34.108 13.385,39.785 v1(16.375,42.775) ; v1(27.125,42.8) 32.95,42.8 35.875,39.875 37.483,39.875 U_OPA_U_QuadDacDriver6.14@37.495,39.863 ; U_OPA_U_QuadDacDriver6.14@37.483,40.233 37.495,40.222 U_OPA_U_QuadDacDriver6.14@37.495,39.863 ; U_OPA_U_QuadDacDriver6.14@37.495,39.841 U_OPA_U_QuadDacDriver6.14@37.495,39.863
  Top Layer w0.305: R4P_U_QuadDacDriver6.1@37.032,42.745 37.032,40.412 37.211,40.233 U_OPA_U_QuadDacDriver6.14@37.483,40.233
  Bottom Layer w0.186: v1(16.375,42.775) 18.868,42.775 19.293,43.2 26.632,43.2 27.032,42.8 v1(27.125,42.8)